# Altium PCB PCB1.PcbDoc (part 5 of 5)
Units mm, origin at the board's own origin, x right, y up, seen from the top; angles counter-clockwise.
Board outline 200 x 70 mm, 6 copper layers (Top Layer, Int1 (GND), Int2 (Sign), Int3 (Sign), Int4 (GND), Bottom Layer), stack 1.597 mm thick; 431 components, 275 nets, 1294 pads, 544 vias.
Unrouted connection lines stored in the file: 265.
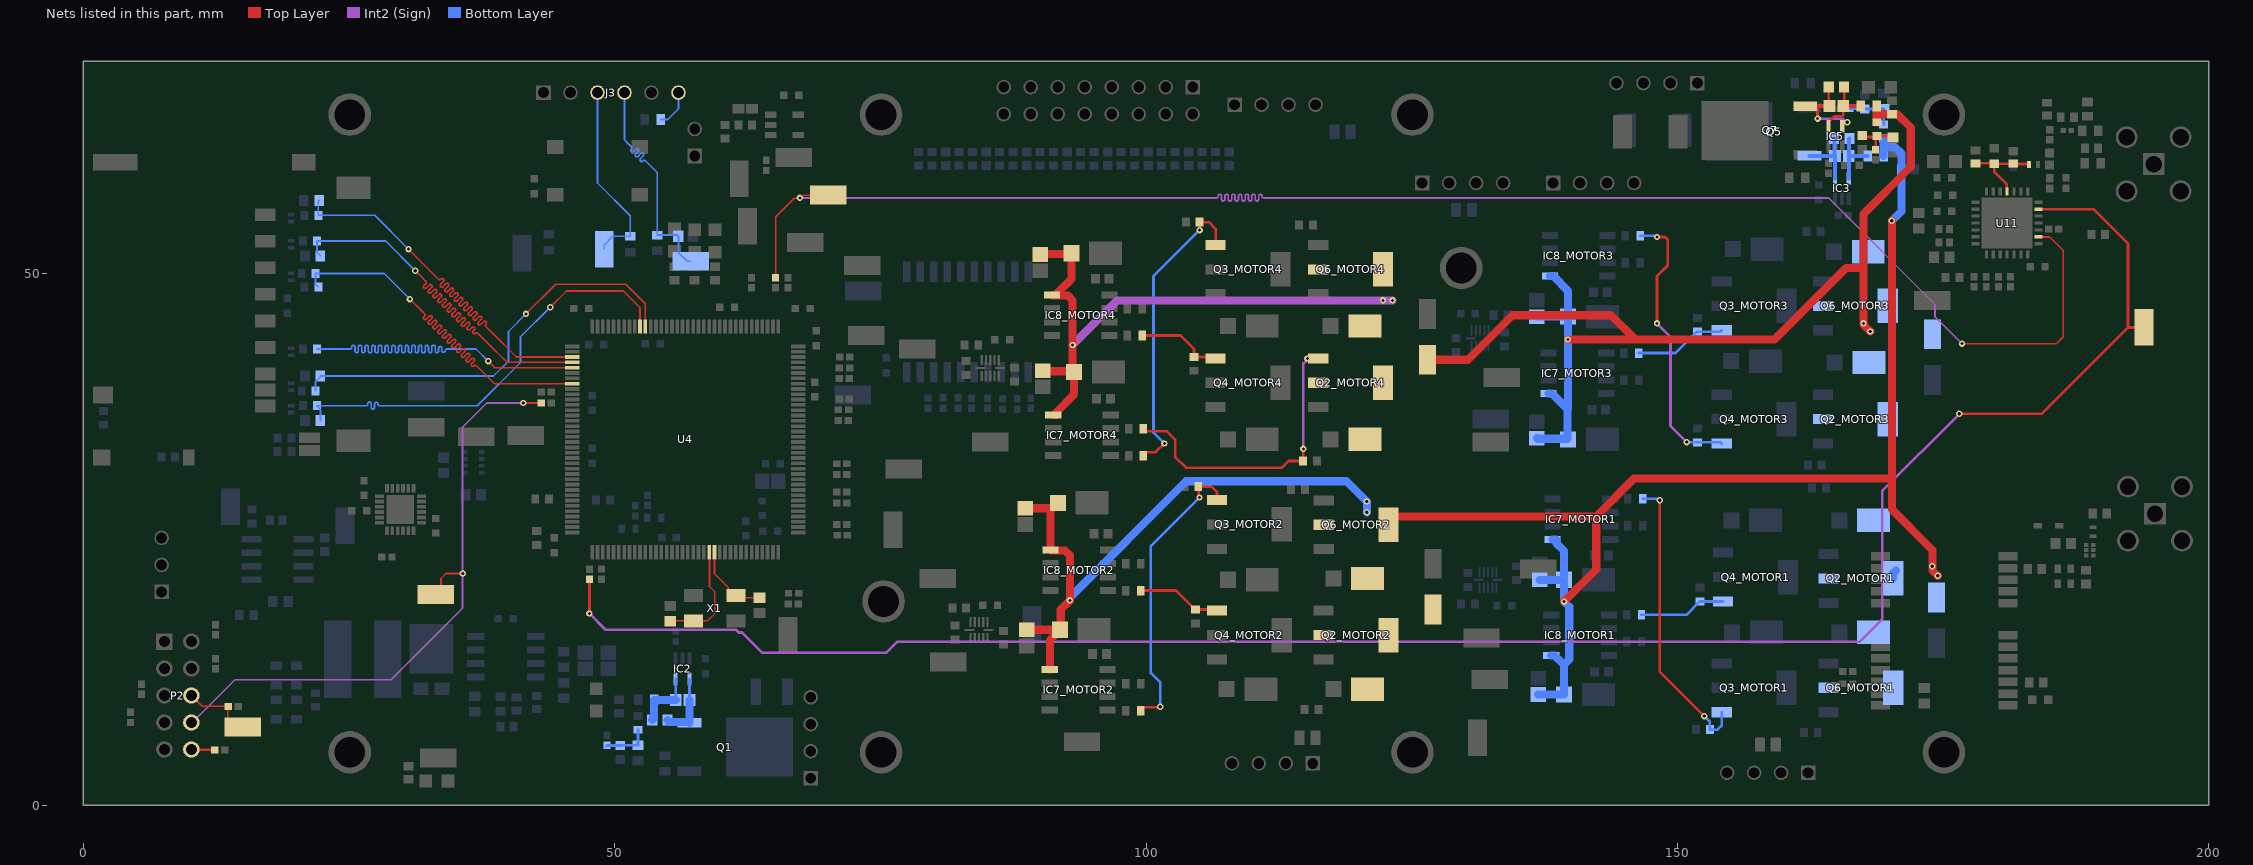
[diagram p9: the nets of this part, all layers, seen from the top]

## Via types
v1: diameter 0.6, hole 0.3, Top Layer to Bottom Layer, 518 vias
v2: diameter 0.5, hole 0.2, Top Layer to Bottom Layer, 20 vias
v3: diameter 0.4, hole 0.2, Top Layer to Bottom Layer, 6 vias

## Nets (pads, with @x,y where several pads share a name; then routed paths per layer and width w, separated by ;. In a path a pad name is that pad's centre, name@x,y a point inside that pad or via, vN(x,y) a via of type N, cw(c..) or ccw(c..) an arc to the next point about the centre after c; other vN are vias at no path point) (continued)
PWM_TR_HR_MOTOR4: Q2_MOTOR4.1 R25_MOTOR4.2 R109_MOTOR4.2 | length 28.6
  Top Layer w0.254: R109_MOTOR4.2@99.76,35.433 99.76,35.402 99.983,35.179 101.981,35.179 102.743,34.417 102.743,32.766 103.749,31.76 112.786,31.76 113.411,32.385 R25_MOTOR4.2@114.793,32.385 114.8,32.392 114.8,33.52 v1(114.808,33.528) ; v1(115.189,42.037) 116.189,42.037 Q2_MOTOR4.1@116.203,42.051
  Int2 (Sign) w0.254: v1(114.808,33.528) 114.808,41.562 115.189,41.943 v1(115.189,42.037)
PWM_TR_LL_MOTOR1: Q3_MOTOR1.1 R27_MOTOR1.2 R110_MOTOR1.2 | length 27.7
  Top Layer w0.254: v1(148.336,28.702) 148.336,12.573 v1(152.527,8.382)
  Bottom Layer w0.254: R110_MOTOR1.2@146.75,28.829 148.115,28.829 148.242,28.702 v1(148.336,28.702) ; v1(152.527,8.382) 153.05,7.859 R27_MOTOR1.2@153.05,7.112 153.797,7.112 154.176,7.491 Q3_MOTOR1.1@154.176,8.749
PWM_TR_LL_MOTOR2: Q3_MOTOR2.1 R27_MOTOR2.2 R110_MOTOR2.2 | length 27.7
  Top Layer w0.254: R110_MOTOR2.2@99.506,8.89 99.506,8.99 99.729,9.213 101.288,9.213 v1(101.346,9.271) ; v1@104.973,29.012 104.973,29.916 R27_MOTOR2.2@104.917,29.972 106.172,29.972 106.676,29.468 Q3_MOTOR2.1@106.676,28.716
  Bottom Layer w0.254: v1(101.346,9.271) 101.346,11.557 100.457,12.446 100.457,24.384 v1(105.029,28.956)
PWM_TR_LL_MOTOR3: Q3_MOTOR3.1 R27_MOTOR3.2 R110_MOTOR3.2 | length 8.7
  Bottom Layer w0.254: R110_MOTOR3.2@146.369,42.545 149.825,42.545 151.842,44.562 R27_MOTOR3.2@151.892,44.562 154.048,44.562 Q3_MOTOR3.1@154.176,44.69
PWM_TR_LL_MOTOR4: Q3_MOTOR4.1 R27_MOTOR4.2 R110_MOTOR4.2 | length 28.8
  Top Layer w0.254: R110_MOTOR4.2@99.76,32.893 99.76,32.993 99.983,33.216 100.907,33.216 v1(101.727,34.036) ; v1(105.044,54.117) R27_MOTOR4.2@105.044,54.864 105.918,54.864 106.551,54.231 Q3_MOTOR4.1@106.551,52.719
  Bottom Layer w0.254: v1(101.727,34.036) 100.711,35.052 100.711,49.784 v1(105.044,54.117)
PWM_TR_LR_MOTOR1: Q4_MOTOR1.1 R29_MOTOR1.2 R114_MOTOR1.2 | length 8.2
  Bottom Layer w0.254: R114_MOTOR1.2@146.623,17.907 150.841,17.907 152.096,19.162 R29_MOTOR1.2@152.146,19.162 Q4_MOTOR1.1@154.303,19.163 Q4_MOTOR1.1@154.303,19.163
PWM_TR_LR_MOTOR2: Q4_MOTOR2.1 R29_MOTOR2.2 R114_MOTOR2.2 | length 8
  Top Layer w0.254: R114_MOTOR2.2@99.506,20.193 102.82,20.193 104.598,18.415 R29_MOTOR2.2@104.648,18.415 106.563,18.415 Q4_MOTOR2.1@106.676,18.302
PWM_TR_LR_MOTOR3: Q4_MOTOR3.1 R29_MOTOR3.2 R114_MOTOR3.2 | length 26.8
  Top Layer w0.254: v1(148.082,45.339) 148.082,49.784 149.098,50.8 149.098,53.213 148.844,53.467 v1(148.082,53.467)
  Int2 (Sign) w0.254: v1(148.082,45.339) 149.352,44.069 149.352,35.687 v1(150.876,34.163)
  Bottom Layer w0.254: R114_MOTOR3.2@146.496,53.594 147.861,53.594 147.988,53.467 v1(148.082,53.467) ; v1(150.876,34.163) 150.883,34.156 151.884,34.156 R29_MOTOR3.2@151.892,34.148 ; R29_MOTOR3.2@152.019,34.148 Q4_MOTOR3.1@154.05,34.148 ; Q4_MOTOR3.1@154.05,34.148 Q4_MOTOR3.1@154.176,34.022 Q4_MOTOR3.1@154.05,34.148
PWM_TR_LR_MOTOR4: Q4_MOTOR4.1 R29_MOTOR4.2 R114_MOTOR4.2 | length 8.2
  Top Layer w0.254: R114_MOTOR4.2@99.633,44.196 103.251,44.196 104.521,42.926 R29_MOTOR4.2@104.521,42.179 106.423,42.179 Q4_MOTOR4.1@106.551,42.051
RF_MOD: J22.1 R36.2 U11.20 | length 188.4
  Top Layer w0.254: v1(47.625,18.034) R36.2@47.625,21.242 ; v1(176.53,36.83) 184.277,36.83 192.405,44.958 ; U11.20@184.004,56.082 189.162,56.082 192.405,52.839 192.405,44.958 ; J22.1@193.929,44.958 192.405,44.958
  Int2 (Sign) w0.254: v1(47.625,18.034) 49.15,16.509 61.424,16.509 61.676,16.256 61.976,16.256 63.881,14.351 75.565,14.351 76.581,15.367 167.132,15.367 169.291,17.526 169.291,29.591 v1(176.53,36.83)
RST_IHM: P2.10 R11.1 | length 2.2
  Top Layer w0.254: P2.10@10.171,5.241 10.188,5.224 12.335,5.224 R11.1@12.352,5.207
SCK_RADIO: J41.1 R55.2 U11.16 | length 154.6
  Top Layer w0.156: R55.2@65.151,49.624 65.151,55.372 66.896,57.117 67.404,57.117 v1(67.431,57.144) 67.551,57.144 67.811,57.404 J41.1@70.104,57.404 ; v1(176.784,43.434) 185.674,43.434 186.309,44.069 186.309,51.816 186.314,51.821 186.314,52.192 185.039,53.467 184.019,53.467 U11.16@184.004,53.482
  Int2 (Sign) w0.159: v1(67.431,57.144) 106.553,57.144 106.633,57.144 ccw(c106.633,57.303) 106.792,57.303 106.792,57.335 cw(c106.95,57.335) 106.95,57.494 cw(c106.95,57.335) 107.109,57.335 107.109,57.006 ccw(c107.268,57.006) 107.268,56.847 ccw(c107.268,57.006) 107.426,57.006 107.426,57.335 cw(c107.585,57.335) 107.585,57.494 cw(c107.585,57.335) 107.744,57.335 107.744,57.006 ccw(c107.902,57.006) 107.902,56.847 ccw(c107.902,57.006) 108.061,57.006 108.061,57.335 cw(c108.219,57.335) 108.219,57.494 cw(c108.219,57.335) 108.378,57.335 108.378,57.006 ccw(c108.537,57.006) 108.537,56.847 ccw(c108.537,57.006) 108.695,57.006 108.695,57.335 cw(c108.854,57.335) 108.854,57.494 cw(c108.854,57.335) 109.012,57.335 109.012,57.006 ccw(c109.171,57.006) 109.171,56.847 ccw(c109.171,57.006) 109.33,57.006 109.33,57.335 cw(c109.488,57.335) 109.488,57.494 cw(c109.488,57.335) 109.647,57.335 109.647,57.006 ccw(c109.806,57.006) 109.806,56.847 ccw(c109.806,57.006) 109.964,57.006 109.964,57.335 cw(c110.123,57.335) 110.123,57.494 cw(c110.123,57.335) 110.281,57.335 110.281,57.006 ccw(c110.44,57.006) 110.44,56.847 ccw(c110.44,57.006) 110.599,57.006 110.599,57.335 cw(c110.757,57.335) 110.757,57.494 cw(c110.757,57.335) 110.916,57.335 110.916,57.303 ccw(c111.075,57.303) 111.075,57.144 112.014,57.144 164.217,57.144 174.244,47.117 174.244,45.974 v1(176.784,43.434)
SDCLK: R170.1 U4.113 | length 40.1
  Top Layer w0.156: v1(38.1,41.783) 38.716,41.167 U4.113@46.017,41.167
  Bottom Layer w0.156: R170.1@21.986,42.926 25.019,42.926 25.097,42.926 ccw(c25.097,43.083) 25.254,43.083 25.254,43.119 cw(c25.412,43.119) 25.412,43.276 cw(c25.412,43.119) 25.569,43.119 25.569,42.733 ccw(c25.726,42.733) 25.726,42.576 ccw(c25.726,42.733) 25.883,42.733 25.883,43.119 cw(c26.04,43.119) 26.04,43.276 cw(c26.04,43.119) 26.197,43.119 26.197,42.733 ccw(c26.355,42.733) 26.355,42.576 ccw(c26.355,42.733) 26.512,42.733 26.512,43.119 cw(c26.669,43.119) 26.669,43.276 cw(c26.669,43.119) 26.826,43.119 26.826,42.733 ccw(c26.983,42.733) 26.983,42.576 ccw(c26.983,42.733) 27.14,42.733 27.14,43.119 cw(c27.298,43.119) 27.298,43.276 cw(c27.298,43.119) 27.455,43.119 27.455,42.733 ccw(c27.612,42.733) 27.612,42.576 ccw(c27.612,42.733) 27.769,42.733 27.769,43.119 cw(c27.926,43.119) 27.926,43.276 cw(c27.926,43.119) 28.084,43.119 28.084,42.733 ccw(c28.241,42.733) 28.241,42.576 ccw(c28.241,42.733) 28.398,42.733 28.398,43.119 cw(c28.555,43.119) 28.555,43.276 cw(c28.555,43.119) 28.712,43.119 28.712,42.733 ccw(c28.869,42.733) 28.869,42.576 ccw(c28.869,42.733) 29.027,42.733 29.027,43.119 cw(c29.184,43.119) 29.184,43.276 cw(c29.184,43.119) 29.341,43.119 29.341,42.733 ccw(c29.498,42.733) 29.498,42.576 ccw(c29.498,42.733) 29.655,42.733 29.655,43.119 cw(c29.812,43.119) 29.812,43.276 cw(c29.812,43.119) 29.97,43.119 29.97,42.733 ccw(c30.127,42.733) 30.127,42.576 ccw(c30.127,42.733) 30.284,42.733 30.284,43.119 cw(c30.441,43.119) 30.441,43.276 cw(c30.441,43.119) 30.598,43.119 30.598,42.733 ccw(c30.756,42.733) 30.756,42.576 ccw(c30.756,42.733) 30.913,42.733 30.913,43.119 cw(c31.07,43.119) 31.07,43.276 cw(c31.07,43.119) 31.227,43.119 31.227,42.733 ccw(c31.384,42.733) 31.384,42.576 ccw(c31.384,42.733) 31.541,42.733 31.541,43.119 cw(c31.699,43.119) 31.699,43.276 cw(c31.699,43.119) 31.856,43.119 31.856,42.733 ccw(c32.013,42.733) 32.013,42.576 ccw(c32.013,42.733) 32.17,42.733 32.17,43.119 cw(c32.327,43.119) 32.327,43.276 cw(c32.327,43.119) 32.484,43.119 32.484,42.733 ccw(c32.642,42.733) 32.642,42.576 ccw(c32.642,42.733) 32.799,42.733 32.799,43.119 cw(c32.956,43.119) 32.956,43.276 cw(c32.956,43.119) 33.113,43.119 33.113,42.733 ccw(c33.27,42.733) 33.27,42.576 ccw(c33.27,42.733) 33.428,42.733 33.428,42.999 cw(c33.585,42.999) 33.585,43.156 cw(c33.585,42.999) 33.742,42.999 33.742,42.769 ccw(c33.899,42.769) 33.899,42.612 ccw(c33.899,42.769) 34.056,42.769 cw(c34.213,42.769) 34.213,42.926 36.449,42.926 36.957,42.926 v1(38.1,41.783)
SDCMD: R167.1 R169.1 U4.116 | length 41.5
  Top Layer w0.156: v1(30.734,47.625) 31.837,46.522 31.892,46.467 32.114,46.245 cw(c32.003,46.134) 32.114,46.023 32.062,45.97 ccw(c32.173,45.859) 32.062,45.748 ccw(c32.173,45.859) 32.284,45.748 32.557,46.021 cw(c32.668,45.91) 32.779,46.021 cw(c32.668,45.91) 32.779,45.798 32.506,45.526 ccw(c32.618,45.415) 32.506,45.303 ccw(c32.618,45.415) 32.729,45.303 33.001,45.576 cw(c33.113,45.465) 33.224,45.576 cw(c33.113,45.465) 33.224,45.354 32.951,45.081 ccw(c33.062,44.97) 32.951,44.859 ccw(c33.062,44.97) 33.173,44.859 33.446,45.132 cw(c33.557,45.02) 33.668,45.132 cw(c33.557,45.02) 33.668,44.909 33.396,44.637 ccw(c33.507,44.525) 33.396,44.414 ccw(c33.507,44.525) 33.618,44.414 33.891,44.687 cw(c34.002,44.576) 34.113,44.687 cw(c34.002,44.576) 34.113,44.465 33.84,44.192 ccw(c33.951,44.081) 33.84,43.97 ccw(c33.951,44.081) 34.062,43.97 34.335,44.242 cw(c34.446,44.131) 34.557,44.242 cw(c34.446,44.131) 34.557,44.02 34.285,43.748 ccw(c34.396,43.636) 34.285,43.525 ccw(c34.396,43.636) 34.507,43.525 34.78,43.798 cw(c34.891,43.687) 35.002,43.798 cw(c34.891,43.687) 35.002,43.576 34.729,43.303 ccw(c34.84,43.192) 34.729,43.081 ccw(c34.84,43.192) 34.951,43.081 35.224,43.353 cw(c35.335,43.242) 35.446,43.353 cw(c35.335,43.242) 35.446,43.131 35.174,42.858 ccw(c35.285,42.747) 35.174,42.636 ccw(c35.285,42.747) 35.396,42.636 35.669,42.909 cw(c35.78,42.798) 35.891,42.909 cw(c35.78,42.798) 35.891,42.687 35.618,42.414 ccw(c35.729,42.303) 35.618,42.192 ccw(c35.729,42.303) 35.841,42.192 36.113,42.464 cw(c36.224,42.353) 36.336,42.464 cw(c36.224,42.353) 36.336,42.242 36.063,41.969 ccw(c36.174,41.858) 36.063,41.747 ccw(c36.174,41.858) 36.285,41.747 36.545,42.007 cw(c36.656,41.895) 36.767,42.007 cw(c36.656,41.895) 36.767,41.784 36.56,41.577 ccw(c36.671,41.466) 36.56,41.355 ccw(c36.671,41.466) 36.782,41.355 cw(c36.893,41.244) 37.004,41.355 37.433,40.926 37.488,40.871 ; 37.475,40.884 38.692,39.667 U4.116@46.017,39.667
  Bottom Layer w0.156: R167.1@22.113,48.768 21.859,49.022 R169.1@21.859,50.038 28.321,50.038 v1(30.734,47.625)
SDDATA0: R165.1 R171.1 U4.98 | length 40.3
  Top Layer w0.156: v1(41.656,46.228) 44.45,49.022 51.054,49.022 52.892,47.184 U4.98@52.892,45.042
  Bottom Layer w0.156: R171.1@21.859,38.989 21.859,39.855 22.315,40.311 R165.1@22.315,40.386 38.608,40.386 40.005,41.783 40.005,44.577 v1(41.656,46.228)
SDDATA1: R164.1 R172.1 U4.99 | length 41.7
  Top Layer w0.156: v1(43.942,46.863) 45.466,48.387 50.8,48.387 52.392,46.795 U4.99@52.392,45.042
  Bottom Layer w0.156: R164.1@22.315,36.195 22.315,37.213 21.986,37.542 R172.1@21.986,37.592 26.543,37.592 26.621,37.592 ccw(c26.621,37.749) 26.778,37.749 26.778,37.785 cw(c26.936,37.785) 26.936,37.942 cw(c26.936,37.785) 27.093,37.785 27.093,37.418 ccw(c27.25,37.418) 27.25,37.261 ccw(c27.25,37.418) 27.407,37.418 27.407,37.749 cw(c27.564,37.749) 27.564,37.906 cw(c27.564,37.749) 27.721,37.749 ccw(c27.879,37.749) 27.879,37.592 34.417,37.592 37.084,37.592 41.148,41.656 41.148,44.069 v1(43.942,46.863)
SDDATA2: R163.1 R173.1 U4.111 | length 41.4
  Top Layer w0.156: v1(30.607,52.324) 33.381,49.55 33.437,49.494 ccw(c33.548,49.606) 33.659,49.494 33.676,49.512 cw(c33.787,49.401) 33.898,49.512 cw(c33.787,49.401) 33.898,49.289 33.626,49.017 ccw(c33.737,48.906) 33.626,48.794 ccw(c33.737,48.906) 33.848,48.794 34.121,49.067 cw(c34.232,48.956) 34.343,49.067 cw(c34.232,48.956) 34.343,48.845 34.07,48.572 ccw(c34.181,48.461) 34.07,48.35 ccw(c34.181,48.461) 34.292,48.35 34.565,48.623 cw(c34.676,48.511) 34.787,48.623 cw(c34.676,48.511) 34.787,48.4 34.515,48.128 ccw(c34.626,48.016) 34.515,47.905 ccw(c34.626,48.016) 34.737,47.905 35.01,48.178 cw(c35.121,48.067) 35.232,48.178 cw(c35.121,48.067) 35.232,47.956 34.959,47.683 ccw(c35.07,47.572) 34.959,47.461 ccw(c35.07,47.572) 35.182,47.461 35.454,47.733 cw(c35.565,47.622) 35.677,47.733 cw(c35.565,47.622) 35.677,47.511 35.404,47.238 ccw(c35.515,47.127) 35.404,47.016 ccw(c35.515,47.127) 35.626,47.016 35.899,47.289 cw(c36.01,47.178) 36.121,47.289 cw(c36.01,47.178) 36.121,47.067 35.848,46.794 ccw(c35.96,46.683) 35.848,46.572 ccw(c35.96,46.683) 36.071,46.572 36.343,46.844 cw(c36.455,46.733) 36.566,46.844 cw(c36.455,46.733) 36.566,46.622 36.293,46.349 ccw(c36.404,46.238) 36.293,46.127 ccw(c36.404,46.238) 36.515,46.127 36.788,46.4 cw(c36.899,46.289) 37.01,46.4 cw(c36.899,46.289) 37.01,46.177 36.738,45.905 ccw(c36.849,45.794) 36.738,45.682 ccw(c36.849,45.794) 36.96,45.682 37.233,45.955 cw(c37.344,45.844) 37.455,45.955 cw(c37.344,45.844) 37.455,45.733 37.182,45.46 ccw(c37.293,45.349) 37.182,45.238 ccw(c37.293,45.349) 37.404,45.238 37.677,45.511 cw(c37.788,45.399) 37.899,45.511 cw(c37.788,45.399) 37.899,45.288 37.882,45.271 ccw(c37.993,45.16) 37.882,45.049 38.469,44.462 38.525,44.406 40.764,42.167 U4.111@46.017,42.167
  Bottom Layer w0.156: R163.1@22.188,56.896 22.113,56.821 R173.1@22.113,55.499 27.432,55.499 v1(30.607,52.324)
SDDATA3: R166.1 R168.1 U4.112 | length 41.7
  Top Layer w0.156: v1(31.242,50.292) 31.961,49.573 32.016,49.518 32.238,49.296 cw(c32.127,49.185) 32.238,49.074 32.061,48.896 ccw(c32.172,48.785) 32.061,48.674 ccw(c32.172,48.785) 32.283,48.674 32.556,48.946 cw(c32.667,48.835) 32.778,48.946 cw(c32.667,48.835) 32.778,48.724 32.505,48.451 ccw(c32.616,48.34) 32.505,48.229 ccw(c32.616,48.34) 32.727,48.229 33,48.502 cw(c33.111,48.391) 33.222,48.502 cw(c33.111,48.391) 33.222,48.279 32.95,48.007 ccw(c33.061,47.896) 32.95,47.785 ccw(c33.061,47.896) 33.172,47.785 33.445,48.057 cw(c33.556,47.946) 33.667,48.057 cw(c33.556,47.946) 33.667,47.835 33.394,47.562 ccw(c33.505,47.451) 33.394,47.34 ccw(c33.505,47.451) 33.617,47.34 33.889,47.613 cw(c34,47.502) 34.112,47.613 cw(c34,47.502) 34.112,47.39 33.839,47.118 ccw(c33.95,47.007) 33.839,46.895 ccw(c33.95,47.007) 34.061,46.895 34.334,47.168 cw(c34.445,47.057) 34.556,47.168 cw(c34.445,47.057) 34.556,46.946 34.283,46.673 ccw(c34.395,46.562) 34.283,46.451 ccw(c34.395,46.562) 34.506,46.451 34.778,46.724 cw(c34.89,46.612) 35.001,46.724 cw(c34.89,46.612) 35.001,46.501 34.728,46.229 ccw(c34.839,46.117) 34.728,46.006 ccw(c34.839,46.117) 34.95,46.006 35.223,46.279 cw(c35.334,46.168) 35.445,46.279 cw(c35.334,46.168) 35.445,46.057 35.173,45.784 ccw(c35.284,45.673) 35.173,45.562 ccw(c35.284,45.673) 35.395,45.562 35.668,45.834 cw(c35.779,45.723) 35.89,45.834 cw(c35.779,45.723) 35.89,45.612 35.617,45.339 ccw(c35.728,45.228) 35.617,45.117 ccw(c35.728,45.228) 35.839,45.117 36.112,45.39 cw(c36.223,45.279) 36.334,45.39 cw(c36.223,45.279) 36.334,45.168 36.157,44.99 ccw(c36.268,44.879) 36.157,44.768 ccw(c36.268,44.879) 36.379,44.768 36.557,44.945 cw(c36.668,44.834) 36.779,44.945 cw(c36.668,44.834) 36.779,44.723 36.684,44.628 ccw(c36.795,44.517) 36.684,44.406 ccw(c36.795,44.517) 36.906,44.406 cw(c37.017,44.294) 37.128,44.406 38.827,42.707 38.882,42.652 39.867,41.667 U4.112@46.017,41.667
  Bottom Layer w0.156: R166.1@22.315,51.689 21.986,52.018 R168.1@21.986,53.086 28.448,53.086 v1(31.242,50.292)
shunt_M12_N: C71.1 IC3.5 R90.2 R91.1 | length 5.6
  Bottom Layer w0.381: IC3.5@166.131,58.989 R90.2@166.131,61.087 ; C71.1@166.206,62.738 166.168,62.7 166.168,61.125 R90.2@166.131,61.087 ; R91.1@167.906,61.087 R90.2@166.131,61.087
shunt_M12_P: C71.2 IC3.4 Q5.3 R90.1 | length 6.2
  Bottom Layer w0.381: Q5.3@162.415,61.093 162.418,61.09 R90.1@164.828,61.09 ; C71.2@164.756,62.738 164.793,62.701 164.793,61.125 R90.1@164.828,61.09 ; IC3.4@164.831,58.989 R90.1@164.831,61.087 R90.1@164.828,61.09
shunt_M34_N: C72.1 IC5.5 R92.2 R93.1 | length 6.4
  Top Layer w0.254: IC5.5@164.211,63.881 164.211,64.281 164.738,64.808 165.466,64.808 165.623,64.965 R92.2@165.623,65.786 165.698,65.861 C72.1@165.698,67.564
  Top Layer w0.381: R92.2@165.623,65.786 R93.1@167.259,65.786
shunt_M34_P: C72.2 IC5.4 Q7.3 R92.1 | length 9
  Top Layer w0.254: v1(163.195,64.603) 163.195,65.783 ; C72.2@164.248,67.564 164.248,65.855 R92.1@164.32,65.783 ; IC5.4@165.511,63.881 165.511,64.189 165.584,64.262 v1(165.989,64.262)
  Top Layer w0.381: Q7.3@162.034,65.78 162.037,65.783 163.195,65.783 R92.1@164.32,65.783
  Int2 (Sign) w0.254: v1(163.195,64.603) 165.554,64.603 165.895,64.262 v1(165.989,64.262)
shunt_SEQ_N: C70.1 IC2.5 R2.2 R86.1 | length 6
  Bottom Layer w0.254: IC2.5@55.738,11.877 55.738,9.921 R2.2@55.753,9.906
  Bottom Layer w0.762: C70.1@53.541,8.001 53.635,8.095 53.635,8.333 53.721,8.419 R86.1@53.721,9.906 R2.2@55.753,9.906
shunt_SEQ_P: C70.2 IC2.4 Q1.3 R2.1 | length 6.3
  Bottom Layer w0.254: IC2.4@57.038,11.877 57.038,9.921 R2.1@57.053,9.906
  Bottom Layer w0.762: C70.2@54.991,8.001 54.991,7.951 55.132,7.81 56.972,7.81 Q1.3@57.041,7.741 57.047,7.747 57.047,9.9 R2.1@57.053,9.906
SWCLK: J3.03 J64.1 R104.1 | length 18
  Bottom Layer w0.156: J3.03@48.387,67.056 48.387,58.547 51.469,55.465 R104.1@51.469,53.526 49.834,53.526 49.022,52.714 J64.1@49.022,52.324
SWDIO: J3.04 J63.1 R103.1 R144.1 | length 22.2
  Bottom Layer w0.156: J3.04@50.927,67.056 50.927,62.611 51.244,62.293 51.57,61.968 cw(c51.459,61.857) 51.57,61.746 ccw(c51.681,61.635) 51.57,61.523 ccw(c51.681,61.635) 51.792,61.523 52.003,61.734 cw(c52.114,61.623) 52.226,61.734 cw(c52.114,61.623) 52.226,61.512 51.989,61.276 ccw(c52.101,61.165) 51.989,61.054 ccw(c52.101,61.165) 52.212,61.054 52.484,61.326 cw(c52.596,61.215) 52.707,61.326 cw(c52.596,61.215) 52.707,61.104 52.434,60.831 ccw(c52.545,60.72) 52.434,60.609 ccw(c52.545,60.72) 52.656,60.609 52.681,60.634 cw(c52.793,60.523) 52.904,60.634 52.959,60.579 54.009,59.529 R103.1@54.009,53.653 55.861,53.653 R144.1@55.976,53.538 56.007,53.506 56.007,51.993 56.819,51.181 J63.1@57.15,51.181
SWO: J3.06 R51.2 | length 3.6
  Bottom Layer w0.156: R51.2@54.356,64.516 54.991,64.516 56.007,65.532 J3.06@56.007,67.056
UART_RX: J45.1 P2.6 R128.1 | length 6.7
  Top Layer w0.156: P2.6@10.171,10.321 11.181,9.311 13.561,9.311 13.601,9.271 13.601,8.178 14.413,7.366 J45.1@14.986,7.366
UART_TX: J54.1 P2.8 R129.1 | length 60.7
  Top Layer w0.156: J54.1@31.889,19.508 32.193,19.812 J54.1@33.147,19.812 33.655,20.32 33.655,21.336 34.117,21.798 v1(35.712,21.798) ; v1(41.402,37.846) R129.1@43.086,37.846
  Int2 (Sign) w0.159: P2.8@10.171,7.781 10.252,7.781 14.282,11.811 28.956,11.811 35.687,18.542 35.687,35.56 37.973,37.846 v1(41.402,37.846)
VBAT_FB: C1.2 R73.2 R87.1 R89.2 | length 4.5
  Bottom Layer w0.254: R73.2@49.213,5.558 R73.2@49.276,5.621 50.528,5.621 C1.2@50.546,5.603 50.584,5.641 R89.2@52.197,5.641 R87.1@52.197,7.097
VBAT_MOTOR1_FB: C10.2 R76.2 R94.1 R98.2 | length 4.7
  Bottom Layer w0.254: R76.2@166.21,65.532 167.625,65.532 C10.2@167.64,65.517 169.403,65.517 R98.2@169.418,65.532 R94.1@169.418,64.038
VBAT_MOTOR2_FB: C9.2 R78.2 R95.1 R99.2 | length 4.3
  Top Layer w0.254: C9.2@167.386,63.007 167.513,62.88 R95.1@168.708,62.88 ; R78.2@168.656,61.689 168.656,62.828 R95.1@168.708,62.88 ; R99.2@170.307,62.828 170.173,62.962 168.79,62.962 R95.1@168.708,62.88
VCC_PWR_MOTOR1: C35_MOTOR1.1 C35_MOTOR2.1 C56_MOTOR1.1 C56_MOTOR2.1 C59_MOTOR1.1 C59_MOTOR2.1 D5_MOTOR1.2 D5_MOTOR2.2 D6_MOTOR1.2 D6_MOTOR2.2 D13_MOTOR1.1 D13_MOTOR2.1 D14_MOTOR1.1 D14_MOTOR2.1 IC7_MOTOR1.1 IC7_MOTOR2.1 IC8_MOTOR1.1 IC8_MOTOR2.1 Q2_MOTOR1.2 Q2_MOTOR1.4 Q2_MOTOR2.2 Q2_MOTOR2.4 Q6_MOTOR1.2 Q6_MOTOR1.4 Q6_MOTOR2.2 Q6_MOTOR2.4 R50.2 R91.2 R94.2 | length 186.1
  Top Layer w0.762: C59_MOTOR2.1@88.646,27.942 D6_MOTOR2.2@91.22,27.942 ; C56_MOTOR2.1@88.773,16.512 88.774,16.511 91.821,16.511 91.821,16.418 90.951,15.548 IC7_MOTOR2.1@90.951,12.749 ; D6_MOTOR2.2@91.716,28.448 91.716,28.438 D6_MOTOR2.2@91.22,27.942 ; D5_MOTOR2.2@91.903,16.51 91.982,16.589 91.982,18.413 v1(92.837,19.268) 92.837,23.495 92.385,23.947 91.07,23.947 IC8_MOTOR2.1@91.014,24.003 91.014,27.736 D6_MOTOR2.2@91.22,27.942 ; Q6_MOTOR2.4@122.817,26.389 122.817,26.609 123.386,27.178 142.367,27.178 ; v1(139.341,19.155) 142.367,22.181 142.367,27.178 ; v1(170.18,54.991) 170.18,30.734 ; v1(174.498,21.59) 173.99,22.098 173.99,24.003 170.18,27.813 170.18,30.734 ; 142.367,27.178 145.923,30.734 170.18,30.734
  Bottom Layer w0.762: v1(92.837,19.268) 92.837,19.558 103.759,30.48 118.872,30.48 v1(120.777,28.575) v1(120.777,27.559) ; C59_MOTOR1.1@136.906,10.412 136.907,10.413 139.34,10.413 D6_MOTOR1.2@139.341,10.414 139.341,13.213 ; C56_MOTOR1.1@137.033,21.207 137.034,21.208 139.34,21.208 D5_MOTOR1.2@139.341,21.209 ; IC8_MOTOR1.1@138.131,14.097 138.456,14.097 139.341,13.213 ; IC7_MOTOR1.1@138.258,25.019 138.583,25.019 138.639,24.963 138.639,24.637 139.341,23.936 D5_MOTOR1.2@139.341,21.209 ; R91.2@169.406,61.087 169.406,61.912 169.406,62.732 169.412,62.732 169.412,61.912 170.498,61.912 171.079,61.331 R50.2@171.079,59.817 171.079,55.89 v1(170.18,54.991) ; Q2_MOTOR1.4@170.309,21.336 170.309,21.846 Q2_MOTOR1.4@170.561,22.098 ; 139.341,13.213 139.827,13.699 139.827,18.669 v1(139.341,19.155) D5_MOTOR1.2@139.341,21.209
  other v1: 173.99,22.479
VCC_PWR_MOTOR3: C35_MOTOR3.1 C35_MOTOR4.1 C56_MOTOR3.1 C56_MOTOR4.1 C59_MOTOR3.1 C59_MOTOR4.1 D5_MOTOR3.2 D5_MOTOR4.2 D6_MOTOR3.2 D6_MOTOR4.2 D13_MOTOR3.1 D13_MOTOR4.1 D14_MOTOR3.1 D14_MOTOR4.1 IC7_MOTOR3.1 IC7_MOTOR4.1 IC8_MOTOR3.1 IC8_MOTOR4.1 Q2_MOTOR3.2 Q2_MOTOR3.4 Q2_MOTOR4.2 Q2_MOTOR4.4 Q6_MOTOR3.2 Q6_MOTOR3.4 Q6_MOTOR4.2 Q6_MOTOR4.4 R49.2 R93.2 R95.2 | length 160.6
  Top Layer w0.762: C59_MOTOR4.1@90.043,51.818 90.105,51.881 92.924,51.881 D6_MOTOR4.2@92.986,51.943 92.986,49.525 91.466,48.006 IC8_MOTOR4.1@91.141,48.006 91.197,47.95 92.645,47.95 93.091,47.504 v1(93.091,43.307) 93.091,40.916 D5_MOTOR4.2@93.24,40.767 ; C56_MOTOR4.1@90.297,40.896 90.362,40.832 93.175,40.832 D5_MOTOR4.2@93.24,40.767 ; IC7_MOTOR4.1@91.268,36.703 91.593,36.703 91.649,36.759 91.649,37.039 93.24,38.63 D5_MOTOR4.2@93.24,40.767 ; C35_MOTOR4.1@126.492,41.919 130.311,41.919 134.493,46.101 143.764,46.101 146.05,43.815 ; v1(139.7,43.815) 146.05,43.815 ; v1(168.148,44.577) 167.513,45.212 167.513,50.546 ; R93.2@168.759,65.786 168.759,65.027 ; R95.2@168.783,64.262 168.765,64.262 168.759,64.268 168.759,65.027 ; 146.05,43.815 159.131,43.815 165.862,50.546 167.513,50.546 ; 167.513,50.546 167.513,55.626 171.958,60.071 171.958,63.754 170.685,65.027 170.18,65.027 168.759,65.027
  Int2 (Sign) w0.762: v1(93.091,43.307) 97.282,47.498 v1(122.301,47.498) v1(123.19,47.498)
  Bottom Layer w0.762: C56_MOTOR3.1@136.779,34.542 136.841,34.479 139.66,34.479 139.66,37.278 ; C59_MOTOR3.1@136.779,45.972 136.78,45.973 139.721,45.973 D6_MOTOR3.2@139.722,45.974 ; IC7_MOTOR3.1@137.877,38.735 138.202,38.735 139.66,37.278 ; IC8_MOTOR3.1@138.004,49.784 138.329,49.784 139.722,48.392 D6_MOTOR3.2@139.722,45.974 ; 139.66,37.278 139.722,37.34 D6_MOTOR3.2@139.722,45.974
  other v1: 167.513,45.339
VR_PA: C43.1 C48.1 C49.1 L3.1 U11.25 | length 8.2
  Top Layer w0.254: C43.1@178.054,60.395 179.774,60.395 C49.1@179.832,60.337 ; U11.25@181.029,57.757 181.006,57.78 181.006,58.389 179.832,59.563 C49.1@179.832,60.337 ; L3.1@183.09,60.29 183.055,60.325 181.645,60.325 C48.1@181.61,60.36 179.855,60.36 C49.1@179.832,60.337
XTAL_IN: C14.2 U4.23 X1.1 | length 10.5
  Top Layer w0.156: C14.2@55.245,17.309 55.278,17.342 X1.1@57.436,17.342 58.744,17.342 59.436,18.034 59.436,20.066 58.928,20.574 58.928,23.756 U4.23@58.892,23.792
XTAL_OUT: C50.2 U4.24 X1.3 | length 7.3
  Top Layer w0.156: U4.24@59.392,23.792 59.392,21.786 60.693,20.485 60.693,20.264 61.215,19.742 X1.3@61.436,19.742 61.657,19.521 C50.2@63.627,19.521
pads on no net: IC6_MOTOR1.4 IC6_MOTOR1.8 IC6_MOTOR1.12 IC6_MOTOR2.4 IC6_MOTOR2.8 IC6_MOTOR2.12 IC6_MOTOR3.4 IC6_MOTOR3.8 IC6_MOTOR3.12 IC6_MOTOR4.4 IC6_MOTOR4.8 IC6_MOTOR4.12 IC9.1 IC9.2 IC9.5 IC9.6 IC9.14 IC9.15 IC9.16 IC9.17 IC9.18 IC9.19 P2.3 U1.1 U2.2 U2.3 U2.4 U2.5 U2.6 U2.7 U2.14 U2.15 U2.16 U2.17 U2.19 U2.21 U2.22 U4.3 U4.4 U4.6 U4.13 U4.14 U4.29 U4.32 U4.36 U4.37 U4.40 U4.43 U4.45 U4.47 U4.50 U4.53 U4.54 U4.55 U4.56 U4.57 U4.63 U4.64 U4.65 U4.66 U4.70 U4.87 U4.91 U4.92 U4.93 U4.96 U4.97 U4.100 U4.101 U4.102 U4.103 U4.104 U4.110 U4.114 U4.115 U4.117 U4.123 U4.124 U4.125 U4.126 U4.127 U4.128 U4.129 U4.132 U4.134 U4.135 U4.141 U4.142 U7.1 U7.3 U11.1 U11.12 U11.13 U11.27 U11.28

## Polygon pours and split planes (outlines as drawn)
+3V3 on Bottom Layer "+3V3_L06_P036" (solid, remove dead copper, pour order 36): 200,34.671 178.943,34.671 177.038,32.766 177.038,-0.254 206.429,-0.254 206.429,-1.322 205.413,-2.338 204.651,-1.576 -2.486,-1.576 -4.518,74.624 -4.137,74.243 182.499,74.243 182.499,55.626 184.531,53.594 200,53.594
VCC_PWR_MOTOR1 on Bottom Layer "VCC_PWR_MOTOR1_L06_P010" (solid, remove dead copper, pour order 10): 166.692,11.938 163.073,11.938 162.959,11.824 162.959,9.525 166.692,9.525 166.692,7.256 171.772,7.256 171.772,17.289 175.201,17.289 175.201,28.084 166.692,28.084 166.692,22.352 162.941,22.352 162.941,19.812 166.692,19.812
VCC_PWR_MOTOR3 on Bottom Layer "VCC_PWR_MOTOR3_L06_P015" (solid, remove dead copper, pour order 15): 166.179,43.18 162.433,43.18 162.451,45.865 162.433,47.752 166.103,47.765 166.15,47.752 166.116,53.34 175.768,53.34 175.768,42.926 175.514,42.672 171.323,42.672 171.323,33.528 170.561,32.766 166.243,32.766 166.229,35.052 162.433,35.052 162.433,37.079 162.451,37.097 162.464,37.084 166.216,37.084
GND on Bottom Layer "GND_L06_P030" (solid, pour order 30): 155.194,54.356 155.194,6.477 154.397,5.68 150.503,5.68 150.503,54.356
HOT_R_MOTOR1 on Bottom Layer "HOT_R_MOTOR1_L06_P014" (solid, remove dead copper, pour order 14): 156.337,22.987 153.29,22.987 153.289,20.193 166.37,20.193 166.37,27.686 156.337,27.686
HOT_L_MOTOR1 on Bottom Layer "HOT_L_MOTOR1_L06_P011" (solid, remove dead copper, pour order 11): 156.464,12.7 156.338,12.574 153.162,12.574 153.162,9.524 153.288,9.398 166.37,9.398 166.37,17.526 156.464,17.526
HOT_R_MOTOR3 on Bottom Layer "HOT_R_MOTOR3_L06_P017" (solid, remove dead copper, pour order 17): 156.21,37.846 156.209,37.847 153.162,37.847 153.162,34.798 162.433,34.798 162.433,37.211 165.735,37.211 165.735,42.926 156.21,42.926
HOT_L_MOTOR3 on Bottom Layer "HOT_L_MOTOR3_L06_P016" (solid, remove dead copper, pour order 16): 156.464,48.514 152.927,48.514 152.926,48.515 152.908,48.497 152.908,45.847 165.735,45.847 165.735,53.34 156.464,53.34
+3V3 on Top Layer "+3V3_L01_P035" (solid, remove dead copper, pour order 35): 182.626,72.517 182.626,57.15 186.182,53.594 205.74,53.594 205.74,34.671 205.613,34.544 178.816,34.544 177.038,32.766 177.038,2.159 179.197,0 205.74,0 205.74,-3.048 204.724,-4.064 203.962,-3.302 -3.175,-3.302 -5.207,72.898 -4.826,72.517
VCC_PWR_MOTOR1 on Top Layer "VCC_PWR_MOTOR1_L01_P003" (solid, remove dead copper, pour order 3): 119.253,25.146 115.443,25.146 115.443,27.813 119.253,27.813 119.253,30.099 124.333,30.099 124.333,20.066 127.762,20.066 127.762,9.271 119.253,9.271 119.253,14.732 115.316,14.732 115.316,17.399 119.253,17.399
HOT_L_MOTOR4 on Top Layer "HOT_L_MOTOR4_L01_P021" (solid, remove dead copper, pour order 21): 118.618,49.276 114.935,49.276 114.935,51.816 105.41,51.816 105.41,43.815 105.537,43.688 118.618,43.688
HOT_R_MOTOR2 on Top Layer "HOT_R_MOTOR2_L01_P018" (solid, remove dead copper, pour order 18): 118.618,14.732 115.316,14.732 115.316,17.399 105.791,17.399 105.791,9.906 118.618,9.906
HOT_R_MOTOR4 on Top Layer "HOT_R_MOTOR4_L01_P028" (solid, remove dead copper, pour order 28): 118.364,38.302 114.841,38.302 114.629,38.514 114.629,40.767 105.537,40.767 105.537,33.274 118.364,33.274
GND on Top Layer "GND_L01_P002" (solid, pour order 2): 108.204,49.022 105.283,49.022 105.301,49.04 105.301,51.944 108.203,51.944 108.204,51.943 108.204,55.753 102.743,55.753 102.87,8.255 108.077,8.255 108.204,8.382 108.204,14.431 105.472,14.431 105.426,14.477 105.426,17.527 108.203,17.527 108.204,17.526 108.204,24.765 108.124,24.845 105.472,24.845 105.472,27.895 105.427,27.94 108.204,27.94 108.204,38.354 105.283,38.354 105.283,41.258 105.301,41.276 105.302,41.275 108.204,41.275
HOT_L_MOTOR2 on Top Layer "HOT_L_MOTOR2_L01_P019" (solid, remove dead copper, pour order 19): 118.872,25.019 118.862,25.029 115.16,25.029 115.16,27.79 115.137,27.813 105.664,27.813 105.664,19.812 105.791,19.685 118.872,19.685
VCC_PWR_MOTOR3 on Top Layer "VCC_PWR_MOTOR3_L01_P020" (solid, remove dead copper, pour order 20): 118.872,49.276 114.935,49.276 114.935,51.816 118.872,51.816 118.872,53.467 123.952,53.467 123.952,43.434 127.381,43.434 127.381,32.639 118.872,32.639 118.872,38.608 114.935,38.608 114.935,40.767 118.872,40.767
GND on Int1 (GND) "GND_L02_P031" (solid, remove dead copper, pour order 31): -2.54,72.39 203.581,72.39 204.343,71.628 204.343,-3.175 -1.524,-3.175 -2.032,-2.667
GND on Int3 (Sign) "GND_L04_P033" (solid, remove dead copper, pour order 33): -1.905,73.66 200.406,73.66 204.216,69.85 202.692,68.326 202.692,-3.429 -2.159,-3.429 -2.921,-4.191
GND on Int4 (GND) "GND_L05_P034" (solid, remove dead copper, pour order 34): -3.429,73.152 -2.921,72.644 203.962,72.644 203.962,-2.413 202.692,-3.683 202.057,-3.048 -4.572,-3.048
+3V3 on Int2 (Sign) "+3V3_L03_P032" (solid, remove dead copper, pour order 32): -1.905,72.898 -1.524,73.279 204.089,73.279 204.089,-3.429 203.581,-3.937 201.803,-2.159 -3.937,-2.159

## Silkscreen, mask and mechanical layers (free items; w line width, h text height)
Top Overlay:
  drawing of 25 lines, arcs and shapes, not listed
  text "BATT_MOT1" at 152.324,68.631 h0.76
  text "MOTOR4" at 116.211,68.048 h0.76
  text "SWD" at 38.786,67.615 h0.76
  text "+" at 140.005,67.361 h0.76
  text "-" at 153.086,67.361 h0.76
  text "SWO" at 58.75,66.218 h0.76 r90
  text "FDC" at 100.889,65.456 h0.76
  text "GND" at 43.637,63.297 h0.76 r90
  text "RST" at 46.177,63.297 h0.76 r90
  text "DIO" at 51.13,63.297 h0.76 r90
  text "CLK" at 48.844,63.17 h0.76 r90
  text "+3V3" at 54.178,62.408 h0.76 r90
  text "SD CARD" at 13.761,61.84 h0.76
  text "MOTOR3" at 127.641,61.825 h0.76
  text "+" at 147.869,59.623 h0.76
  text "-" at 135.996,59.3 h0.76
  text "BATT_MOT2" at 148.047,58.55 h0.76
  text "AERO" at 56.718,56.312 h0.76 r90
  text "RESET" at 48.565,55.296 h0.76
  text "RADIO" at 194.368,55.062 h0.76
  text "GPS" at 193.98,22.276 h0.76
  text "BUZZER" at 10.55,20.111 h0.76 r90
  text "+" at 71.415,10.648 h0.76
  text "VBAT" at 71.958,7.036 h0.76 r90
  text "IHM" at 8.941,2.591 h0.76
  text "-" at 71.353,1.261 h0.76
  text "MOTOR2" at 115.621,1.067 h0.76
  text "MOTOR1" at 156.642,0.559 h0.76
Mechanical 1:
  circle w0.254: c175,4.977 r3.5
  circle w0.254: c175.076,64.977 r3.5
  circle w0.254: c25,4.977 r3.5
  circle w0.254: c25.076,64.977 r3.5
  circle w0.254: c75.311,19.177 r3.5
  circle w0.254: c129.667,50.546 r3.5
  circle w0.254: c125.076,64.977 r3.5
  circle w0.254: c125.076,4.977 r3.5
  circle w0.254: c75,4.977 r3.5
  circle w0.254: c75.076,64.977 r3.5
  lines w0.254: -2.337,1.636 -1.829,0.112 ; -2.337,68.565 -1.829,70.089 ; -2.083,0.112 -1.575,0.112 ; -2.083,70.089 -1.575,70.089 ; -1.829,27.076 -1.829,0.112 ; -1.829,43.124 -1.829,70.089 ; -1.321,1.636 -1.829,0.112 ; -1.321,68.565 -1.829,70.089 ; 199.517,61.976 200.025,63.5 ; 199.517,71.501 200.025,69.977 ; 199.771,63.5 200.279,63.5 ; 199.771,69.977 200.279,69.977 ; 200.025,60.96 200.025,63.5 ; 200.025,72.517 200.025,69.977 ; 200.533,61.976 200.025,63.5 ; 200.533,71.501 200.025,69.977
  text "6.477 (mm)" at 203.682,59.73 h1.52 r90
  text "69.977 (mm)" at -0.914,27.33 h1.52 r90
Mechanical 4:
  the board outline again, w0.254

## Dimensions
75.076,64.977 to 100.203,70.993 on Mechanical 1
125.076,4.977 to 175.076,4.977 on Mechanical 1
75.076,4.977 to 125.076,4.977 on Mechanical 1
25.076,4.977 to 75.076,4.977 on Mechanical 1
125.076,64.977 to 175.076,64.977 on Mechanical 1
75.076,64.977 to 125.076,64.977 on Mechanical 1
25.076,64.977 to 75.076,64.977 on Mechanical 1
0,70 to 100.203,70.993 on Mechanical 1
0,70 to 200.025,69.977 on Mechanical 1